# KiCad board ciaa_acc.kicad_pcb (continued)
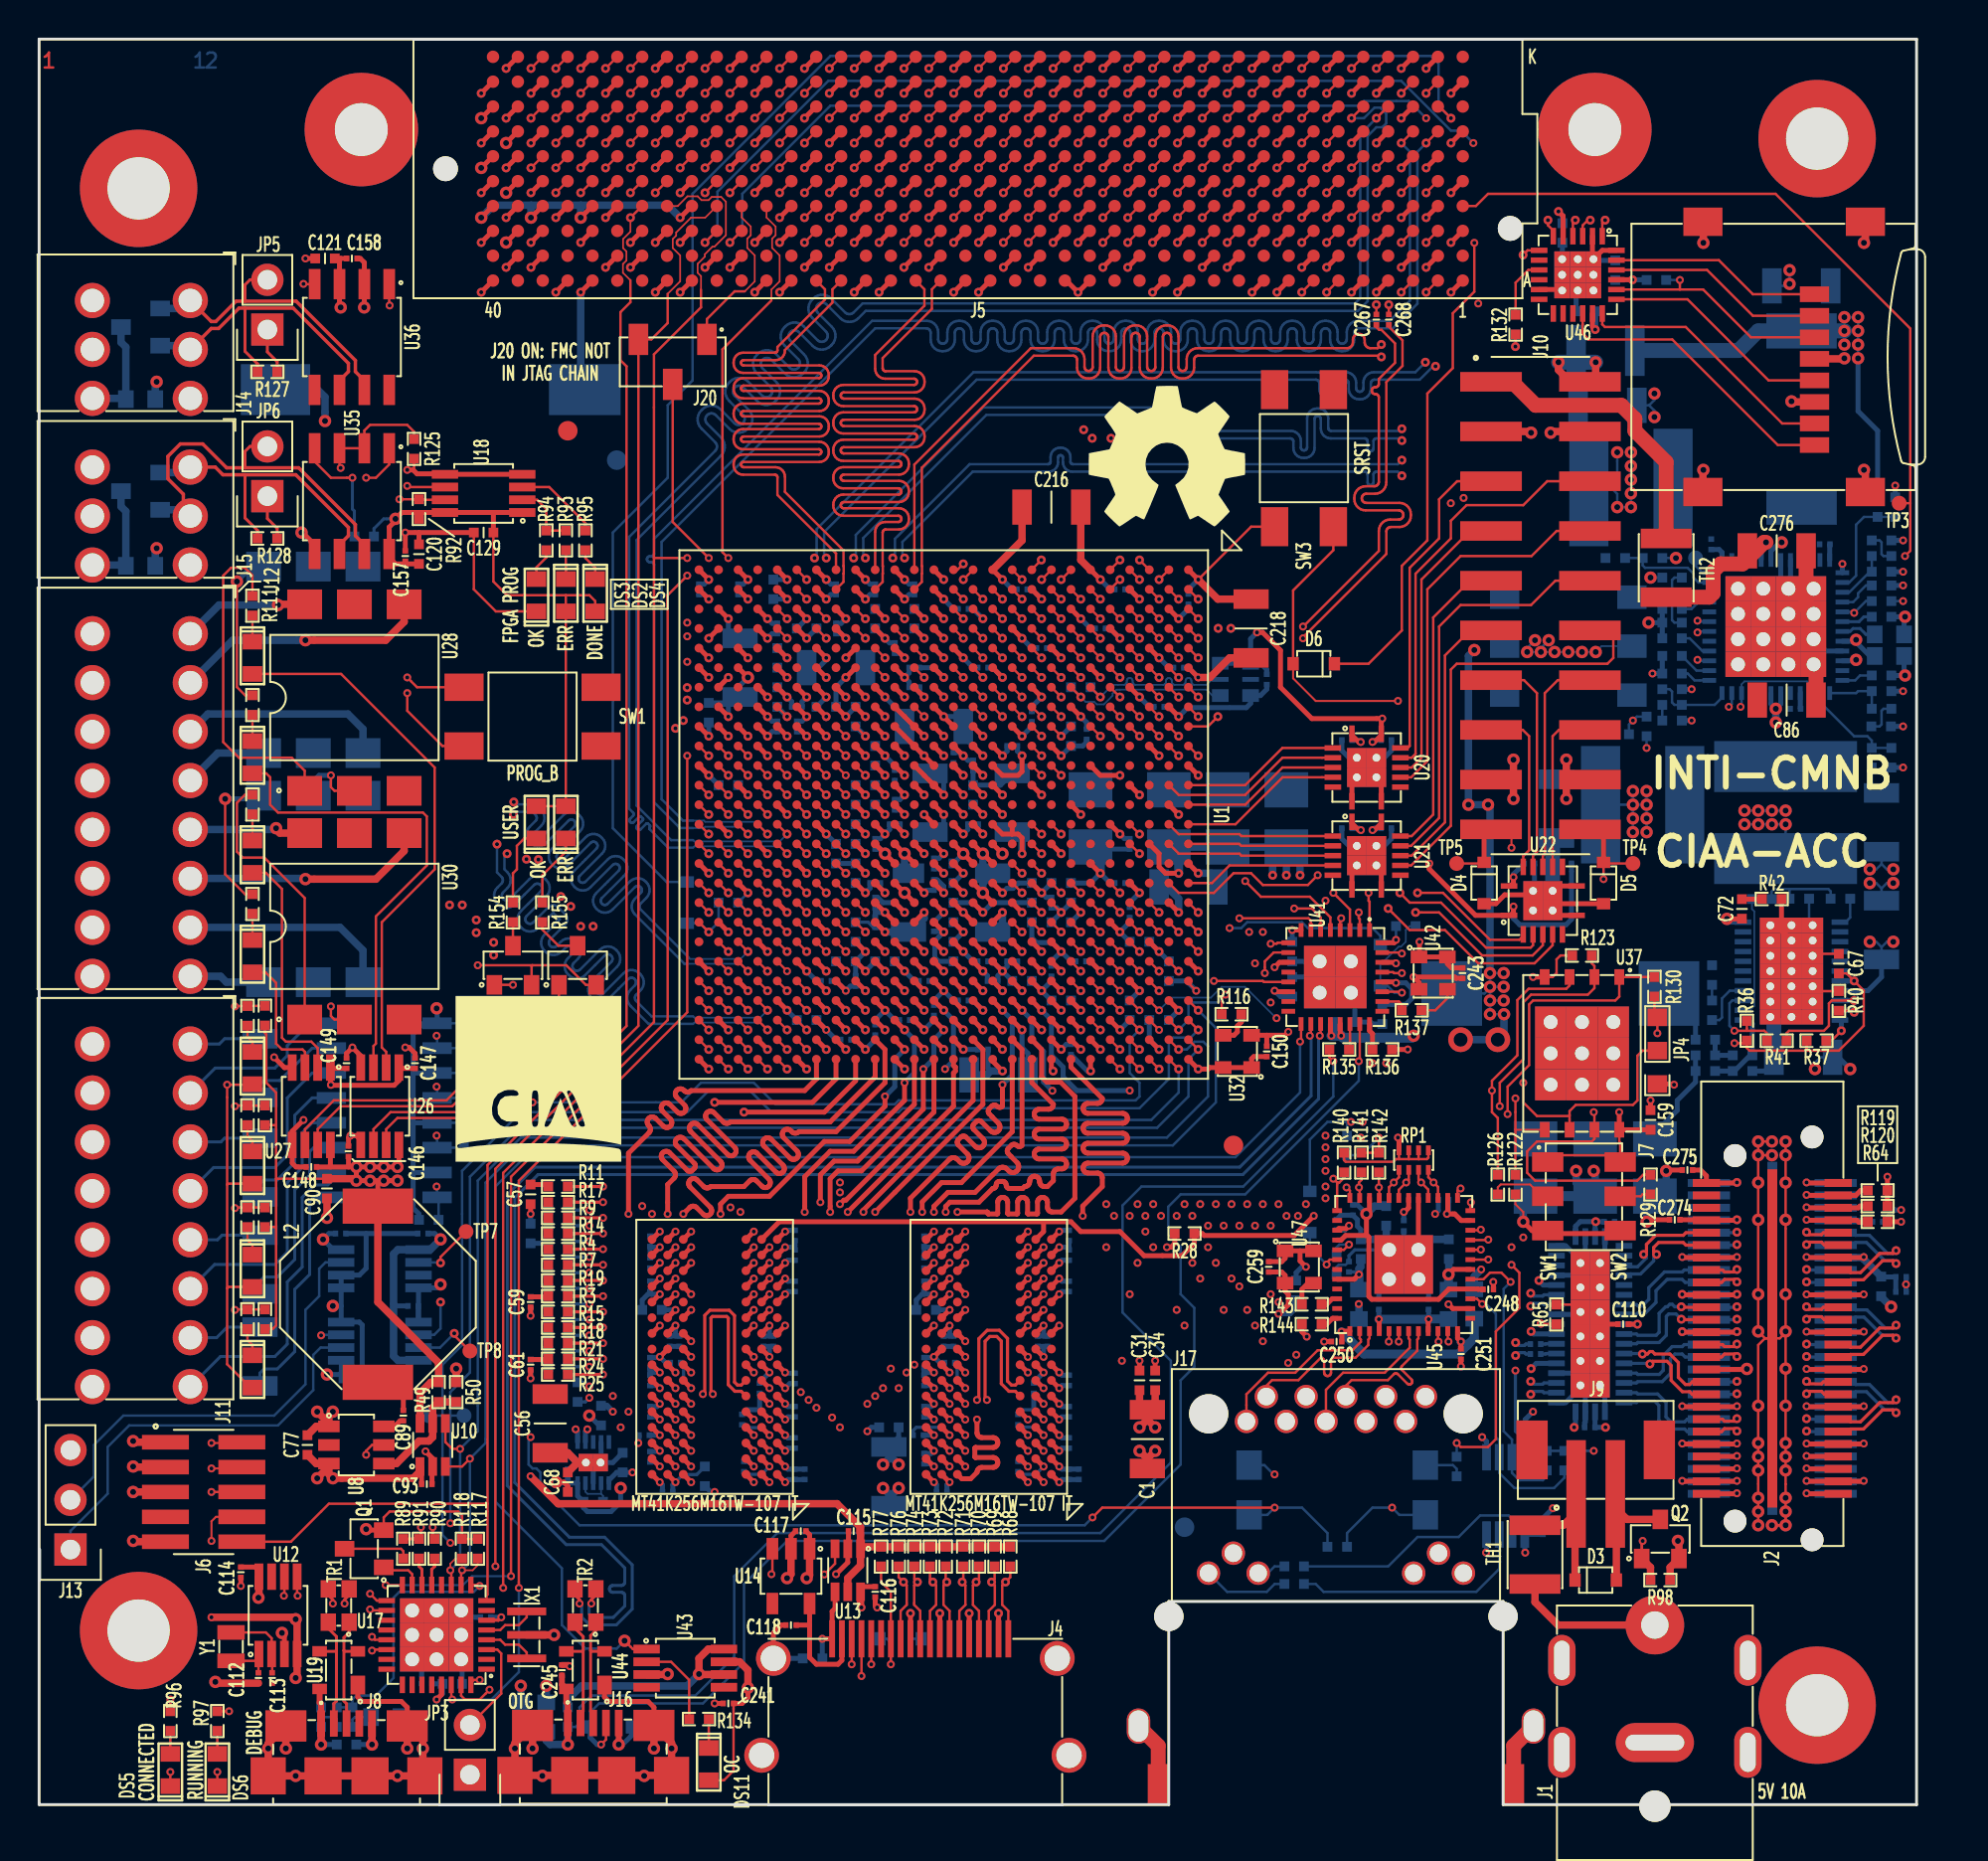
[diagram p0: board, top side]
## Routing (per net, layer and track width the routed paths; a pad name or vN(x,y) marks a point on that pad's centre or on a via; arc(x,y) is an arc through that point) (continued)
  L10.Sig w0.089: v2(34.2,53.57) 33.84,53.21 32.2,53.21 30.34,55.08 30.34,63.72 32.29,65.67 58.3,65.67 58.91,66.29 58.91,67.29 58.9,67.38 58.87,67.47 58.82,67.55 58.76,67.61 58.68,67.66 58.59,67.69 58.5,67.7 57.86,67.7 57.83,67.71 57.79,67.72 57.76,67.74 57.74,67.76 57.72,67.79 57.71,67.83 57.7,67.86 57.71,67.9 57.72,67.93 57.74,67.96 57.76,67.99 57.79,68.01 57.83,68.02 57.86,68.02 58.5,68.02 58.59,68.03 58.68,68.06 58.76,68.11 58.82,68.18 58.87,68.26 58.9,68.35 58.91,68.44 58.91,68.49 58.9,68.58 58.87,68.67 58.82,68.75 58.76,68.81 58.68,68.86 58.59,68.89 58.5,68.9 57.86,68.9 57.83,68.91 57.79,68.92 57.76,68.94 57.74,68.96 57.72,68.99 57.71,69.03 57.7,69.06 57.71,69.1 57.72,69.13 57.74,69.16 57.76,69.19 57.79,69.21 57.83,69.22 57.86,69.22 58.5,69.22 58.59,69.23 58.68,69.26 58.76,69.31 58.82,69.38 58.87,69.46 58.9,69.55 58.91,69.64 58.91,69.69 58.9,69.78 58.87,69.87 58.82,69.95 58.76,70.01 58.68,70.06 58.59,70.09 58.5,70.1 57.86,70.1 57.83,70.11 57.79,70.12 57.76,70.14 57.74,70.16 57.72,70.19 57.71,70.23 57.7,70.26 57.71,70.3 57.72,70.33 57.74,70.36 57.76,70.39 57.79,70.41 57.83,70.42 57.86,70.42 58.5,70.42 58.59,70.43 58.68,70.46 58.76,70.51 58.82,70.58 58.87,70.66 58.9,70.75 58.91,70.84 58.91,70.89 58.9,70.98 58.87,71.07 58.82,71.15 58.76,71.21 58.68,71.26 58.59,71.29 58.5,71.3 57.86,71.3 57.83,71.31 57.79,71.32 57.76,71.34 57.74,71.36 57.72,71.39 57.71,71.43 57.7,71.46 57.71,71.5 57.72,71.53 57.74,71.56 57.76,71.59 57.79,71.61 57.83,71.62 57.86,71.62 58.5,71.62 58.59,71.63 58.68,71.66 58.76,71.71 58.82,71.78 58.87,71.86 58.9,71.95 58.91,72.04 58.91,72.09 58.9,72.18 58.87,72.27 58.82,72.35 58.76,72.41 58.68,72.46 58.59,72.49 58.5,72.5 57.86,72.5 57.83,72.51 57.79,72.52 57.76,72.54 57.74,72.56 57.72,72.59 57.71,72.63 57.7,72.66 57.71,72.7 57.72,72.73 57.74,72.76 57.76,72.79 57.79,72.81 57.83,72.82 57.86,72.82 58.5,72.82 58.59,72.83 58.68,72.86 58.76,72.91 58.82,72.98 58.87,73.06 58.9,73.15 58.91,73.24 58.91,73.29 58.9,73.38 58.87,73.47 58.82,73.55 58.76,73.61 58.68,73.66 58.59,73.69 58.5,73.7 57.86,73.7 57.83,73.71 57.79,73.72 57.76,73.74 57.74,73.76 57.72,73.79 57.71,73.83 57.7,73.86 57.71,73.9 57.72,73.93 57.74,73.96 57.76,73.99 57.79,74.01 57.83,74.02 57.86,74.02 58.5,74.02 58.59,74.03 58.68,74.06 58.76,74.11 58.82,74.18 58.87,74.26 58.9,74.35 58.91,74.44 58.91,74.49 58.9,74.58 58.87,74.67 58.82,74.75 58.76,74.81 58.68,74.86 58.59,74.89 58.5,74.9 57.86,74.9 57.83,74.91 57.79,74.92 57.76,74.94 57.74,74.96 57.72,74.99 57.71,75.03 57.7,75.06 57.71,75.1 57.72,75.13 57.74,75.16 57.76,75.19 57.79,75.21 57.83,75.22 57.86,75.22 58.5,75.22 58.59,75.23 58.68,75.26 58.76,75.31 58.82,75.38 58.87,75.46 58.9,75.55 58.91,75.64 58.91,75.69 58.9,75.78 58.87,75.87 58.82,75.95 58.76,76.01 58.68,76.06 58.59,76.09 58.5,76.1 57.86,76.1 57.83,76.11 57.79,76.12 57.76,76.14 57.74,76.16 57.72,76.19 57.71,76.23 57.7,76.26 57.71,76.3 57.72,76.33 57.74,76.36 57.76,76.39 57.79,76.41 57.83,76.42 57.86,76.42 58.5,76.42 58.59,76.43 58.68,76.46 58.76,76.51 58.82,76.58 58.87,76.66 58.9,76.75 58.91,76.84 58.91,80.05 59.41,80.55 59.66,80.55 59.92,80.8 59.92,81.31 59.66,81.56 59.29,81.56 58.78,81.05 v2(58.14,81.05)
/Principal/BANKS_HR/FMC_LA_5_P: length 77.7
  TOP_L1.Sig w0.127: v2(59.41,81.05) 60,81.65 J5.D11 ; U1.AE11 v2(35.2,52.57)
  L10.Sig w0.089: v2(35.2,52.57) 34.83,52.94 33.01,52.94 33,52.93 32.09,52.93 30.06,54.96 30.06,63.84 32.17,65.95 56.98,65.95 57.05,65.96 57.11,65.98 57.17,66.02 57.22,66.07 57.25,66.12 57.27,66.19 57.28,66.25 57.28,66.46 57.29,66.53 57.31,66.59 57.35,66.65 57.39,66.7 57.45,66.73 57.51,66.75 57.58,66.76 57.65,66.75 57.71,66.73 57.77,66.7 57.82,66.65 57.85,66.59 57.87,66.53 57.88,66.46 57.88,66.25 57.89,66.19 57.91,66.12 57.95,66.07 57.99,66.02 58.05,65.98 58.11,65.96 58.18,65.95 58.63,66.41 58.63,67.26 58.63,67.3 58.62,67.33 58.6,67.36 58.57,67.39 58.54,67.41 58.51,67.42 58.47,67.42 57.84,67.42 57.75,67.43 57.66,67.46 57.58,67.51 57.51,67.58 57.47,67.66 57.43,67.75 57.42,67.84 57.42,67.89 57.43,67.98 57.47,68.07 57.51,68.15 57.58,68.21 57.66,68.26 57.75,68.29 57.84,68.3 58.47,68.3 58.51,68.31 58.54,68.32 58.57,68.34 58.6,68.36 58.62,68.39 58.63,68.43 58.63,68.46 58.63,68.5 58.62,68.53 58.6,68.56 58.57,68.59 58.54,68.61 58.51,68.62 58.47,68.62 57.84,68.62 57.75,68.63 57.66,68.66 57.58,68.71 57.51,68.78 57.47,68.86 57.43,68.95 57.42,69.04 57.42,69.09 57.43,69.18 57.47,69.27 57.51,69.35 57.58,69.41 57.66,69.46 57.75,69.49 57.84,69.5 58.47,69.5 58.51,69.51 58.54,69.52 58.57,69.54 58.6,69.56 58.62,69.59 58.63,69.63 58.63,69.66 58.63,69.7 58.62,69.73 58.6,69.76 58.57,69.79 58.54,69.81 58.51,69.82 58.47,69.82 57.84,69.82 57.75,69.83 57.66,69.86 57.58,69.91 57.51,69.98 57.47,70.06 57.43,70.15 57.42,70.24 57.42,70.29 57.43,70.38 57.47,70.47 57.51,70.55 57.58,70.61 57.66,70.66 57.75,70.69 57.84,70.7 58.47,70.7 58.51,70.71 58.54,70.72 58.57,70.74 58.6,70.76 58.62,70.79 58.63,70.83 58.63,70.86 58.63,70.9 58.62,70.93 58.6,70.96 58.57,70.99 58.54,71.01 58.51,71.02 58.47,71.02 57.84,71.02 57.75,71.03 57.66,71.06 57.58,71.11 57.51,71.18 57.47,71.26 57.43,71.35 57.42,71.44 57.42,71.49 57.43,71.58 57.47,71.67 57.51,71.75 57.58,71.81 57.66,71.86 57.75,71.89 57.84,71.9 58.47,71.9 58.51,71.91 58.54,71.92 58.57,71.94 58.6,71.96 58.62,71.99 58.63,72.03 58.63,72.06 58.63,72.1 58.62,72.13 58.6,72.16 58.57,72.19 58.54,72.21 58.51,72.22 58.47,72.22 57.84,72.22 57.75,72.23 57.66,72.26 57.58,72.31 57.51,72.38 57.47,72.46 57.43,72.55 57.42,72.64 57.42,72.69 57.43,72.78 57.47,72.87 57.51,72.95 57.58,73.01 57.66,73.06 57.75,73.09 57.84,73.1 58.47,73.1 58.51,73.11 58.54,73.12 58.57,73.14 58.6,73.16 58.62,73.19 58.63,73.23 58.63,73.26 58.63,73.3 58.62,73.33 58.6,73.36 58.57,73.39 58.54,73.41 58.51,73.42 58.47,73.42 57.84,73.42 57.75,73.43 57.66,73.46 57.58,73.51 57.51,73.58 57.47,73.66 57.43,73.75 57.42,73.84 57.42,73.89 57.43,73.98 57.47,74.07 57.51,74.15 57.58,74.21 57.66,74.26 57.75,74.29 57.84,74.3 58.47,74.3 58.51,74.31 58.54,74.32 58.57,74.34 58.6,74.36 58.62,74.39 58.63,74.43 58.63,74.46 58.63,74.5 58.62,74.53 58.6,74.56 58.57,74.59 58.54,74.61 58.51,74.62 58.47,74.62 57.84,74.62 57.75,74.63 57.66,74.66 57.58,74.71 57.51,74.78 57.47,74.86 57.43,74.95 57.42,75.04 57.42,75.09 57.43,75.18 57.47,75.27 57.51,75.35 57.58,75.41 57.66,75.46 57.75,75.49 57.84,75.5 58.47,75.5 58.51,75.51 58.54,75.52 58.57,75.54 58.6,75.56 58.62,75.59 58.63,75.63 58.63,75.66 58.63,75.7 58.62,75.73 58.6,75.76 58.57,75.79 58.54,75.81 58.51,75.82 58.47,75.82 57.84,75.82 57.75,75.83 57.66,75.86 57.58,75.91 57.51,75.98 57.47,76.06 57.43,76.15 57.42,76.24 57.42,76.29 57.43,76.38 57.47,76.47 57.51,76.55 57.58,76.61 57.66,76.66 57.75,76.69 57.84,76.7 58.47,76.7 58.51,76.71 58.54,76.72 58.57,76.74 58.6,76.76 58.62,76.79 58.63,76.83 58.63,76.86 58.63,80.16 58.65,80.16 58.63,80.18 58.63,80.28 v2(59.41,81.05)
/Principal/BANKS_HR/FMC_LA_6_N: length 77.7
  TOP_L1.Sig w0.127: J5.C11 60,80.38 v2(59.41,79.78) ; U1.AD10 v2(36.2,53.57)
  L10.Sig w0.089: v2(59.41,79.78) 60.04,79.78 60.55,80.29 60.93,80.29 61.19,80.04 61.19,79.53 60.93,79.28 60.68,79.28 60.18,78.78 60.18,76.84 60.17,76.77 60.15,76.71 60.11,76.65 60.06,76.6 60,76.56 59.94,76.53 59.87,76.53 59.71,76.53 59.69,76.52 59.68,76.52 59.67,76.51 59.66,76.5 59.65,76.49 59.65,76.48 59.65,76.47 59.65,76.26 59.65,76.25 59.65,76.24 59.66,76.23 59.67,76.22 59.68,76.21 59.69,76.21 59.71,76.21 60.04,76.21 60.04,76.2 60.4,76.2 60.47,76.19 60.54,76.17 60.6,76.13 60.65,76.08 60.69,76.02 60.71,75.96 60.72,75.89 60.72,75.64 60.71,75.57 60.69,75.5 60.65,75.44 60.6,75.39 60.54,75.35 60.47,75.33 60.4,75.32 59.71,75.32 59.69,75.32 59.68,75.32 59.67,75.31 59.66,75.3 59.65,75.29 59.65,75.28 59.65,75.27 59.65,75.06 59.65,75.05 59.65,75.04 59.66,75.02 59.67,75.02 59.68,75.01 59.69,75 59.71,75 60.4,75 60.47,74.99 60.54,74.97 60.6,74.93 60.65,74.88 60.69,74.82 60.71,74.76 60.72,74.69 60.72,74.44 60.71,74.37 60.69,74.3 60.65,74.24 60.6,74.19 60.54,74.15 60.47,74.13 60.4,74.12 59.71,74.12 59.69,74.12 59.68,74.12 59.67,74.11 59.66,74.1 59.65,74.09 59.65,74.08 59.65,74.07 59.65,73.86 59.65,73.85 59.65,73.84 59.66,73.82 59.67,73.82 59.68,73.81 59.69,73.8 59.71,73.8 60.4,73.8 60.47,73.79 60.54,73.77 60.6,73.73 60.65,73.68 60.69,73.62 60.71,73.56 60.72,73.49 60.72,73.24 60.71,73.17 60.69,73.1 60.65,73.04 60.6,72.99 60.54,72.95 60.47,72.93 60.4,72.92 59.71,72.92 59.69,72.92 59.68,72.92 59.67,72.91 59.66,72.9 59.65,72.89 59.65,72.88 59.65,72.87 59.65,72.66 59.65,72.65 59.65,72.64 59.66,72.62 59.67,72.62 59.68,72.61 59.69,72.6 59.71,72.6 60.4,72.6 60.47,72.59 60.54,72.57 60.6,72.53 60.65,72.48 60.69,72.42 60.71,72.36 60.72,72.29 60.72,72.04 60.71,71.97 60.69,71.9 60.65,71.84 60.6,71.79 60.54,71.75 60.47,71.73 60.4,71.72 59.71,71.72 59.69,71.72 59.68,71.72 59.67,71.71 59.66,71.7 59.65,71.69 59.65,71.68 59.65,71.67 59.65,71.46 59.65,71.45 59.65,71.44 59.66,71.42 59.67,71.42 59.68,71.41 59.69,71.4 59.71,71.4 60.4,71.4 60.47,71.39 60.54,71.37 60.6,71.33 60.65,71.28 60.69,71.22 60.71,71.16 60.72,71.09 60.72,70.84 60.71,70.77 60.69,70.7 60.65,70.64 60.6,70.59 60.54,70.55 60.47,70.53 60.4,70.52 59.71,70.52 59.69,70.52 59.68,70.52 59.67,70.51 59.66,70.5 59.65,70.49 59.65,70.48 59.65,70.47 59.65,70.26 59.65,70.25 59.65,70.24 59.66,70.22 59.67,70.22 59.68,70.21 59.69,70.2 59.71,70.2 60.4,70.2 60.47,70.19 60.54,70.17 60.6,70.13 60.65,70.08 60.69,70.02 60.71,69.96 60.72,69.89 60.72,69.64 60.71,69.57 60.69,69.5 60.65,69.44 60.6,69.39 60.54,69.35 60.47,69.33 60.4,69.32 59.71,69.32 59.69,69.32 59.68,69.32 59.67,69.31 59.66,69.3 59.65,69.29 59.65,69.28 59.65,69.27 59.65,69.06 59.65,69.05 59.65,69.04 59.66,69.02 59.67,69.02 59.68,69.01 59.69,69 59.71,69 60.4,69 60.47,68.99 60.54,68.97 60.6,68.93 60.65,68.88 60.69,68.82 60.71,68.76 60.72,68.69 60.72,68.44 60.71,68.37 60.69,68.3 60.65,68.24 60.6,68.19 60.54,68.15 60.47,68.13 60.4,68.12 59.71,68.12 59.69,68.12 59.68,68.12 59.67,68.11 59.66,68.1 59.65,68.09 59.65,68.08 59.65,68.07 59.65,67.86 59.65,67.85 59.65,67.84 59.66,67.82 59.67,67.82 59.68,67.81 59.69,67.8 59.71,67.8 60.4,67.8 60.47,67.79 60.54,67.77 60.6,67.73 60.65,67.68 60.69,67.62 60.71,67.56 60.72,67.49 60.72,67.24 60.71,67.17 60.69,67.1 60.65,67.04 60.6,66.99 60.54,66.95 60.47,66.93 60.4,66.92 59.71,66.92 59.69,66.92 59.68,66.92 59.67,66.91 59.66,66.9 59.65,66.89 59.65,66.88 59.65,66.87 59.65,66.66 59.65,66.65 59.65,66.64 59.66,66.62 59.67,66.62 59.68,66.61 59.69,66.6 59.71,66.6 59.87,66.6 59.94,66.59 60,66.57 60.06,66.53 60.11,66.48 60.15,66.42 60.17,66.36 60.18,66.29 60.18,65.63 59.47,64.91 32.48,64.91 31.1,63.53 31.1,55.58 32.48,54.21 33.87,54.21 33.88,54.19 35.58,54.19 v2(36.2,53.57)
/Principal/BANKS_HR/FMC_LA_6_P: length 77.7
  TOP_L1.Sig w0.127: v2(60.68,79.78) 61.27,80.38 J5.C10 ; U1.AE10 v2(35.2,53.57)
  L10.Sig w0.089: v2(35.2,53.57) 34.82,53.95 33.9,53.95 33.88,53.93 32.36,53.93 30.82,55.47 30.82,63.65 32.36,65.19 58.28,65.19 58.3,65.19 58.32,65.2 58.34,65.21 58.35,65.23 58.36,65.24 58.37,65.26 58.37,65.28 58.37,65.38 58.37,65.4 58.38,65.42 58.39,65.44 58.41,65.45 58.42,65.46 58.44,65.47 58.46,65.47 58.48,65.47 58.5,65.46 58.52,65.45 58.53,65.44 58.54,65.42 58.55,65.4 58.55,65.38 58.55,65.28 58.55,65.26 58.56,65.24 58.57,65.23 58.58,65.21 58.6,65.2 58.62,65.19 58.64,65.19 58.66,65.19 58.68,65.2 58.69,65.21 58.71,65.23 58.72,65.24 58.73,65.26 58.73,65.28 58.73,65.68 58.73,65.7 58.74,65.72 58.75,65.74 58.76,65.75 58.78,65.76 58.8,65.77 58.82,65.77 58.84,65.77 58.86,65.76 58.87,65.75 58.89,65.74 58.9,65.72 58.9,65.7 58.91,65.68 58.91,65.28 58.91,65.26 58.91,65.24 58.93,65.23 58.94,65.21 58.96,65.2 58.97,65.19 58.99,65.19 59.01,65.19 59.03,65.2 59.05,65.21 59.06,65.23 59.07,65.24 59.08,65.26 59.08,65.28 59.08,65.33 59.09,65.35 59.09,65.37 59.1,65.39 59.12,65.4 59.13,65.41 59.15,65.42 59.17,65.42 59.19,65.42 59.21,65.41 59.23,65.4 59.24,65.39 59.25,65.37 59.26,65.35 59.26,65.33 59.26,65.28 59.26,65.26 59.27,65.24 59.28,65.23 59.29,65.21 59.31,65.2 59.33,65.19 59.35,65.19 59.55,65.39 59.56,65.41 59.57,65.42 59.57,65.44 59.57,65.46 59.57,65.48 59.56,65.5 59.55,65.52 59.09,65.98 59.08,65.99 59.07,66.01 59.06,66.03 59.06,66.05 59.07,66.07 59.08,66.09 59.09,66.1 59.1,66.11 59.12,66.12 59.14,66.13 59.16,66.13 59.18,66.12 59.2,66.11 59.21,66.1 59.67,65.64 59.69,65.63 59.71,65.62 59.73,65.62 59.75,65.62 59.77,65.62 59.78,65.63 59.8,65.64 59.9,65.74 59.9,66.27 59.9,66.28 59.9,66.29 59.89,66.3 59.88,66.31 59.87,66.32 59.86,66.32 59.85,66.32 59.69,66.32 59.62,66.33 59.55,66.35 59.49,66.39 59.44,66.44 59.4,66.5 59.38,66.57 59.37,66.64 59.37,66.89 59.38,66.96 59.4,67.02 59.44,67.08 59.49,67.13 59.55,67.17 59.62,67.19 59.69,67.2 60.38,67.2 60.39,67.2 60.41,67.21 60.42,67.22 60.43,67.22 60.43,67.24 60.44,67.25 60.44,67.26 60.44,67.47 60.44,67.48 60.43,67.49 60.43,67.5 60.42,67.51 60.41,67.52 60.39,67.52 60.38,67.52 59.69,67.52 59.62,67.53 59.55,67.55 59.49,67.59 59.44,67.64 59.4,67.7 59.38,67.77 59.37,67.84 59.37,68.09 59.38,68.16 59.4,68.22 59.44,68.28 59.49,68.33 59.55,68.37 59.62,68.39 59.69,68.4 60.38,68.4 60.39,68.4 60.41,68.41 60.42,68.42 60.43,68.42 60.43,68.44 60.44,68.45 60.44,68.46 60.44,68.67 60.44,68.68 60.43,68.69 60.43,68.7 60.42,68.71 60.41,68.72 60.39,68.72 60.38,68.72 59.69,68.72 59.62,68.73 59.55,68.75 59.49,68.79 59.44,68.84 59.4,68.9 59.38,68.97 59.37,69.04 59.37,69.29 59.38,69.36 59.4,69.42 59.44,69.48 59.49,69.53 59.55,69.57 59.62,69.59 59.69,69.6 60.38,69.6 60.39,69.6 60.41,69.61 60.42,69.62 60.43,69.62 60.43,69.64 60.44,69.65 60.44,69.66 60.44,69.87 60.44,69.88 60.43,69.89 60.43,69.9 60.42,69.91 60.41,69.92 60.39,69.92 60.38,69.92 59.69,69.92 59.62,69.93 59.55,69.95 59.49,69.99 59.44,70.04 59.4,70.1 59.38,70.17 59.37,70.24 59.37,70.49 59.38,70.56 59.4,70.62 59.44,70.68 59.49,70.73 59.55,70.77 59.62,70.79 59.69,70.8 60.38,70.8 60.39,70.8 60.41,70.81 60.42,70.82 60.43,70.82 60.43,70.84 60.44,70.85 60.44,70.86 60.44,71.07 60.44,71.08 60.43,71.09 60.43,71.1 60.42,71.11 60.41,71.12 60.39,71.12 60.38,71.12 59.69,71.12 59.62,71.13 59.55,71.15 59.49,71.19 59.44,71.24 59.4,71.3 59.38,71.37 59.37,71.44 59.37,71.69 59.38,71.76 59.4,71.82 59.44,71.88 59.49,71.93 59.55,71.97 59.62,71.99 59.69,72 60.38,72 60.39,72 60.41,72.01 60.42,72.02 60.43,72.02 60.43,72.04 60.44,72.05 60.44,72.06 60.44,72.27 60.44,72.28 60.43,72.29 60.43,72.3 60.42,72.31 60.41,72.32 60.39,72.32 60.38,72.32 59.69,72.32 59.62,72.33 59.55,72.35 59.49,72.39 59.44,72.44 59.4,72.5 59.38,72.57 59.37,72.64 59.37,72.89 59.38,72.96 59.4,73.02 59.44,73.08 59.49,73.13 59.55,73.17 59.62,73.19 59.69,73.2 60.38,73.2 60.39,73.2 60.41,73.21 60.42,73.22 60.43,73.22 60.43,73.24 60.44,73.25 60.44,73.26 60.44,73.47 60.44,73.48 60.43,73.49 60.43,73.5 60.42,73.51 60.41,73.52 60.39,73.52 60.38,73.52 59.69,73.52 59.62,73.53 59.55,73.55 59.49,73.59 59.44,73.64 59.4,73.7 59.38,73.77 59.37,73.84 59.37,74.09 59.38,74.16 59.4,74.22 59.44,74.28 59.49,74.33 59.55,74.37 59.62,74.39 59.69,74.4 60.38,74.4 60.39,74.4 60.41,74.41 60.42,74.42 60.43,74.42 60.43,74.44 60.44,74.45 60.44,74.46 60.44,74.67 60.44,74.68 60.43,74.69 60.43,74.7 60.42,74.71 60.41,74.72 60.39,74.72 60.38,74.72 59.69,74.72 59.62,74.73 59.55,74.75 59.49,74.79 59.44,74.84 59.4,74.9 59.38,74.97 59.37,75.04 59.37,75.29 59.38,75.36 59.4,75.42 59.44,75.48 59.49,75.53 59.55,75.57 59.62,75.59 59.69,75.6 60.38,75.6 60.39,75.6 60.41,75.61 60.42,75.62 60.43,75.62 60.43,75.64 60.44,75.65 60.44,75.66 60.44,75.87 60.44,75.88 60.43,75.89 60.43,75.9 60.42,75.91 60.41,75.92 60.39,75.92 60.38,75.92 60.04,75.92 60.04,75.93 59.69,75.93 59.62,75.93 59.55,75.96 59.49,76 59.44,76.05 59.4,76.11 59.38,76.17 59.37,76.24 59.37,76.49 59.38,76.56 59.4,76.63 59.44,76.69 59.49,76.74 59.55,76.77 59.62,76.8 59.69,76.81 59.85,76.81 59.86,76.81 59.87,76.81 59.88,76.82 59.89,76.83 59.9,76.84 59.9,76.85 59.9,76.86 59.9,79.02 59.92,79.02 v2(60.68,79.78)
/Principal/BANKS_HR/FMC_LA_7_N: length 77.7
  TOP_L1.Sig w0.127: J5.H14 56.19,86.73 v2(55.6,86.13) ; U1.Y13 v2(40.2,50.57)
  L8.Sig w0.089: v2(55.6,86.13) 56.23,86.13 56.74,86.64 57.12,86.64 57.38,86.39 57.38,86.01 57.12,85.75 57,85.75 56.37,85.13 56.37,71.63 56.36,71.56 56.34,71.49 56.3,71.42 56.25,71.37 56.18,71.33 56.11,71.3 56.04,71.3 55.88,71.3 55.86,71.29 55.84,71.29 55.83,71.28 55.81,71.27 55.81,71.25 55.8,71.24 55.8,71.22 55.8,71.05 55.8,71.04 55.81,71.02 55.81,71 55.83,70.99 55.84,70.98 55.86,70.98 55.88,70.98 56.23,70.98 56.23,70.97 56.69,70.97 56.78,70.96 56.87,70.93 56.94,70.88 57.01,70.81 57.06,70.74 57.09,70.65 57.1,70.56 57.1,70.5 57.09,70.41 57.06,70.32 57.01,70.24 56.94,70.18 56.87,70.13 56.78,70.1 56.69,70.09 56.53,70.09 56.49,70.09 56.46,70.07 56.43,70.06 56.41,70.03 56.39,70 56.38,69.97 56.37,69.94 56.37,69.82 54.51,67.96 31.14,67.96 28.81,65.63 28.81,52.28 30.89,50.21 33.8,50.21 33.82,50.19 39.82,50.19 v2(40.2,50.57)
/Principal/BANKS_HR/FMC_LA_7_P: length 77.7
  TOP_L1.Sig w0.127: U1.W13 v2(41.2,50.57) ; J5.H13 57.46,86.73 v2(56.87,86.13)
  L8.Sig w0.089: v2(56.87,86.13) 56.09,85.36 56.09,71.65 56.09,71.64 56.09,71.62 56.08,71.6 56.06,71.59 56.05,71.58 56.03,71.58 56.02,71.58 55.85,71.58 55.78,71.57 55.71,71.54 55.64,71.5 55.59,71.45 55.55,71.38 55.53,71.31 55.52,71.24 55.52,71.03 55.53,70.96 55.55,70.89 55.59,70.82 55.64,70.77 55.71,70.73 55.78,70.7 55.85,70.7 56.23,70.7 56.23,70.69 56.67,70.69 56.7,70.69 56.73,70.67 56.76,70.66 56.79,70.63 56.8,70.6 56.81,70.57 56.82,70.54 56.82,70.52 56.81,70.49 56.8,70.46 56.79,70.43 56.76,70.4 56.73,70.38 56.7,70.37 56.67,70.37 56.5,70.37 56.41,70.36 56.32,70.33 56.25,70.28 56.18,70.21 56.13,70.14 56.1,70.05 56.09,69.96 56.09,69.94 54.4,68.24 54.34,68.25 54.28,68.27 54.23,68.3 54.18,68.34 54.15,68.4 54.13,68.45 54.12,68.51 54.12,68.68 54.12,68.74 54.09,68.8 54.06,68.85 54.02,68.89 53.97,68.93 53.91,68.95 53.85,68.95 53.79,68.95 53.73,68.93 53.68,68.89 53.63,68.85 53.6,68.8 53.58,68.74 53.57,68.68 53.57,68.51 53.57,68.45 53.54,68.4 53.51,68.34 53.47,68.3 53.42,68.27 53.36,68.25 53.3,68.24 31.03,68.24 28.53,65.74 28.53,52.17 30.77,49.93 33.8,49.93 33.81,49.94 40.57,49.94 v2(41.2,50.57)
/Principal/BANKS_HR/FMC_LA_8_N: length 77.7
  TOP_L1.Sig w0.127: v2(56.87,84.86) 57.46,85.46 J5.G13 ; U1.AA12 v2(39.2,51.57)
  L8.Sig w0.089: v2(39.2,51.57) 38.82,51.19 33.7,51.19 33.68,51.21 31.03,51.21 29.58,52.66 29.58,65.25 31.53,67.2 56.24,67.2 57.64,68.6 57.64,72.83 57.65,72.84 57.65,72.85 57.66,72.85 57.67,72.86 57.82,72.86 57.89,72.86 57.95,72.88 58,72.92 58.05,72.96 58.08,73.02 58.1,73.08 58.11,73.14 58.11,73.45 58.1,73.51 58.08,73.57 58.05,73.63 58,73.67 57.95,73.71 57.89,73.73 57.82,73.73 57.2,73.73 57.19,73.74 57.18,73.74 57.18,73.75 57.18,73.76 57.18,74.03 57.18,74.04 57.19,74.05 57.19,74.05 57.2,74.06 57.82,74.06 57.89,74.06 57.95,74.08 58,74.12 58.05,74.16 58.08,74.22 58.1,74.28 58.11,74.34 58.11,74.65 58.1,74.71 58.08,74.77 58.05,74.83 58,74.87 57.95,74.91 57.89,74.93 57.82,74.93 57.2,74.93 57.19,74.94 57.18,74.94 57.18,74.95 57.18,74.96 57.18,75.23 57.18,75.24 57.19,75.25 57.19,75.25 57.2,75.26 57.82,75.26 57.89,75.26 57.95,75.28 58,75.32 58.05,75.36 58.08,75.42 58.1,75.48 58.11,75.54 58.11,75.85 58.1,75.91 58.08,75.97 58.05,76.03 58,76.07 57.95,76.11 57.89,76.13 57.82,76.13 57.5,76.13 57.5,76.15 57.2,76.15 57.19,76.15 57.18,76.16 57.18,76.16 57.18,76.17 57.18,76.44 57.18,76.45 57.19,76.46 57.19,76.47 57.2,76.47 57.36,76.47 57.42,76.47 57.48,76.5 57.54,76.53 57.58,76.57 57.61,76.63 57.64,76.69 57.64,76.75 57.64,83.86 58.27,84.48 58.39,84.48 58.65,84.74 58.65,85.12 58.39,85.37 58.01,85.37 57.5,84.86 v2(56.87,84.86)
/Principal/BANKS_HR/FMC_LA_8_P: length 77.7
  TOP_L1.Sig w0.127: v2(58.14,84.86) 58.73,85.46 J5.G12 ; U1.AA13 v2(39.2,50.57)
  L8.Sig w0.089: v2(58.14,84.86) 57.36,84.09 57.36,76.77 57.36,76.76 57.35,76.75 57.34,76.75 57.34,76.75 57.18,76.75 57.12,76.74 57.06,76.72 57,76.68 56.96,76.64 56.93,76.58 56.9,76.52 56.9,76.46 56.9,76.15 56.9,76.09 56.93,76.03 56.96,75.97 57,75.93 57.06,75.9 57.12,75.87 57.18,75.87 57.5,75.87 57.5,75.86 57.81,75.86 57.82,75.85 57.82,75.85 57.83,75.84 57.83,75.83 57.83,75.56 57.83,75.55 57.82,75.54 57.81,75.54 57.81,75.53 57.18,75.53 57.12,75.53 57.06,75.51 57,75.47 56.96,75.43 56.93,75.37 56.9,75.31 56.9,75.25 56.9,74.94 56.9,74.88 56.93,74.82 56.96,74.76 57,74.72 57.06,74.68 57.12,74.66 57.18,74.66 57.81,74.66 57.82,74.65 57.82,74.65 57.83,74.64 57.83,74.63 57.83,74.36 57.83,74.35 57.82,74.34 57.81,74.34 57.81,74.33 57.18,74.33 57.12,74.33 57.06,74.31 57,74.27 56.96,74.23 56.93,74.17 56.9,74.11 56.9,74.05 56.9,73.74 56.9,73.68 56.93,73.62 56.96,73.56 57,73.52 57.06,73.48 57.12,73.46 57.18,73.46 57.81,73.46 57.82,73.45 57.82,73.45 57.83,73.44 57.83,73.43 57.83,73.16 57.83,73.15 57.82,73.14 57.81,73.14 57.81,73.13 57.65,73.13 57.59,73.13 57.52,73.11 57.47,73.07 57.43,73.03 57.39,72.97 57.37,72.91 57.36,72.85 57.36,68.72 57.33,68.69 57.3,68.68 57.26,68.67 57.22,68.67 57.18,68.68 57.15,68.69 57.12,68.72 56.89,68.94 56.86,68.97 56.83,68.98 56.79,68.99 56.75,68.99 56.71,68.98 56.68,68.97 56.65,68.94 56.62,68.91 56.6,68.88 56.6,68.84 56.6,68.8 56.6,68.76 56.62,68.72 56.65,68.69 56.87,68.47 56.89,68.44 56.91,68.41 56.92,68.37 56.92,68.33 56.91,68.29 56.89,68.25 56.87,68.22 56.84,68.2 56.8,68.18 56.76,68.17 56.72,68.17 56.69,68.18 56.65,68.2 56.62,68.22 56.4,68.45 56.37,68.47 56.33,68.49 56.29,68.5 56.25,68.5 56.22,68.49 56.18,68.47 56.15,68.45 56.13,68.42 56.11,68.38 56.1,68.34 56.1,68.3 56.11,68.26 56.13,68.23 56.15,68.2 56.37,67.98 56.4,67.95 56.41,67.91 56.42,67.87 56.42,67.83 56.41,67.79 56.4,67.76 56.37,67.73 56.13,67.48 31.41,67.48 29.3,65.36 29.3,52.55 30.91,50.93 33.7,50.93 33.72,50.95 38.82,50.95 v2(39.2,50.57)
/Principal/BANKS_HR/FMC_LA_9_N: length 77.7
  TOP_L1.Sig w0.127: J5.D15 54.92,81.65 v2(54.33,81.05) ; U1.AC11 v2(37.2,52.57)
  L10.Sig w0.089: v2(37.2,52.57) 36.82,52.19 33.92,52.19 33.9,52.21 32.06,52.21 29.58,54.7 29.58,64.11 31.91,66.44 51.13,66.44 51.23,66.45 51.31,66.48 51.39,66.53 51.46,66.59 51.51,66.67 51.54,66.76 51.55,66.85 51.55,67.17 51.55,67.21 51.56,67.24 51.58,67.27 51.61,67.3 51.64,67.32 51.67,67.33 51.71,67.33 51.74,67.33 51.78,67.32 51.81,67.3 51.83,67.27 51.85,67.24 51.87,67.21 51.87,67.17 51.87,66.85 51.88,66.76 51.91,66.67 51.96,66.59 52.03,66.53 52.1,66.48 52.19,66.45 52.28,66.44 52.33,66.44 52.43,66.45 52.51,66.48 52.59,66.53 52.66,66.59 52.71,66.67 52.74,66.76 52.75,66.85 52.75,67.17 52.75,67.21 52.76,67.24 52.78,67.27 52.81,67.3 52.84,67.32 52.87,67.33 52.91,67.33 52.94,67.33 52.98,67.32 53.01,67.3 53.03,67.27 53.05,67.24 53.07,67.21 53.07,67.17 53.07,66.85 53.08,66.76 53.11,66.67 53.16,66.59 53.23,66.53 53.3,66.48 53.39,66.45 53.48,66.44 53.53,66.44 53.63,66.45 53.71,66.48 53.79,66.53 53.86,66.59 53.91,66.67 53.94,66.76 53.95,66.85 53.95,67.17 53.95,67.21 53.96,67.24 53.98,67.27 54.01,67.3 54.04,67.32 54.07,67.33 54.11,67.33 54.14,67.33 54.18,67.32 54.21,67.3 54.23,67.27 54.25,67.24 54.27,67.21 54.27,67.17 54.27,66.85 54.28,66.76 54.31,66.67 54.36,66.59 54.43,66.53 54.5,66.48 54.59,66.45 54.68,66.44 54.89,66.44 56.37,67.92 56.37,69.04 56.37,69.11 56.34,69.17 56.31,69.23 56.26,69.27 56.2,69.31 56.14,69.33 56.08,69.34 55.92,69.34 55.91,69.34 55.9,69.34 55.9,69.35 55.89,69.35 55.89,69.36 55.88,69.37 55.88,69.37 55.88,69.62 55.88,69.63 55.89,69.64 55.89,69.65 55.9,69.65 55.9,69.66 55.91,69.66 55.92,69.66 56.57,69.66 56.63,69.67 56.69,69.69 56.75,69.72 56.8,69.77 56.83,69.83 56.85,69.89 56.86,69.96 56.86,70.24 56.85,70.31 56.83,70.37 56.8,70.43 56.75,70.47 56.69,70.51 56.63,70.53 56.57,70.54 55.92,70.54 55.91,70.54 55.9,70.54 55.9,70.55 55.89,70.55 55.89,70.56 55.88,70.57 55.88,70.57 55.88,70.82 55.88,70.83 55.89,70.84 55.89,70.85 55.9,70.85 55.9,70.86 55.91,70.86 55.92,70.86 56.57,70.86 56.63,70.87 56.69,70.89 56.75,70.92 56.8,70.97 56.83,71.03 56.85,71.09 56.86,71.16 56.86,71.44 56.85,71.51 56.83,71.57 56.8,71.63 56.75,71.67 56.69,71.71 56.63,71.73 56.57,71.74 55.92,71.74 55.91,71.74 55.9,71.74 55.9,71.75 55.89,71.75 55.89,71.76 55.88,71.77 55.88,71.77 55.88,72.02 55.88,72.03 55.89,72.04 55.89,72.05 55.9,72.05 55.9,72.06 55.91,72.06 55.92,72.06 56.57,72.06 56.63,72.07 56.69,72.09 56.75,72.12 56.8,72.17 56.83,72.23 56.85,72.29 56.86,72.36 56.86,72.64 56.85,72.71 56.83,72.77 56.8,72.83 56.75,72.87 56.69,72.91 56.63,72.93 56.57,72.94 55.92,72.94 55.91,72.94 55.9,72.94 55.9,72.95 55.89,72.95 55.89,72.96 55.88,72.97 55.88,72.97 55.88,73.22 55.88,73.23 55.89,73.24 55.89,73.25 55.9,73.25 55.9,73.26 55.91,73.26 55.92,73.26 56.57,73.26 56.63,73.27 56.69,73.29 56.75,73.32 56.8,73.37 56.83,73.43 56.85,73.49 56.86,73.56 56.86,73.84 56.85,73.91 56.83,73.97 56.8,74.03 56.75,74.07 56.69,74.11 56.63,74.13 56.57,74.14 55.92,74.14 55.91,74.14 55.9,74.14 55.9,74.15 55.89,74.15 55.89,74.16 55.88,74.17 55.88,74.17 55.88,74.42 55.88,74.43 55.89,74.44 55.89,74.45 55.9,74.45 55.9,74.46 55.91,74.46 55.92,74.46 56.57,74.46 56.63,74.47 56.69,74.49 56.75,74.52 56.8,74.57 56.83,74.63 56.85,74.69 56.86,74.76 56.86,75.04 56.85,75.11 56.83,75.17 56.8,75.23 56.75,75.27 56.69,75.31 56.63,75.33 56.57,75.34 55.92,75.34 55.91,75.34 55.9,75.34 55.9,75.35 55.89,75.35 55.89,75.36 55.88,75.37 55.88,75.37 55.88,75.62 55.88,75.63 55.89,75.64 55.89,75.65 55.9,75.65 55.9,75.66 55.91,75.66 55.92,75.66 56.08,75.66 56.14,75.67 56.2,75.69 56.26,75.72 56.31,75.77 56.34,75.83 56.37,75.89 56.37,75.96 56.37,76.41 55.1,77.68 55.1,80.05 55.6,80.55 55.85,80.55 56.11,80.8 56.11,81.31 55.85,81.56 55.47,81.56 54.96,81.05 v2(54.33,81.05)
